# Altium PCB Test_SEAx.PcbDoc (part 1 of 2)
Units mil, origin at the board's own origin, x right, y up, seen from the top; angles counter-clockwise.
Board outline 2870.08 x 2716.54 mil, 4 copper layers (Top Layer, GND, Power, Bottom Layer), stack 57.48 mil thick; 71 components, 83 nets, 664 pads, 451 vias.
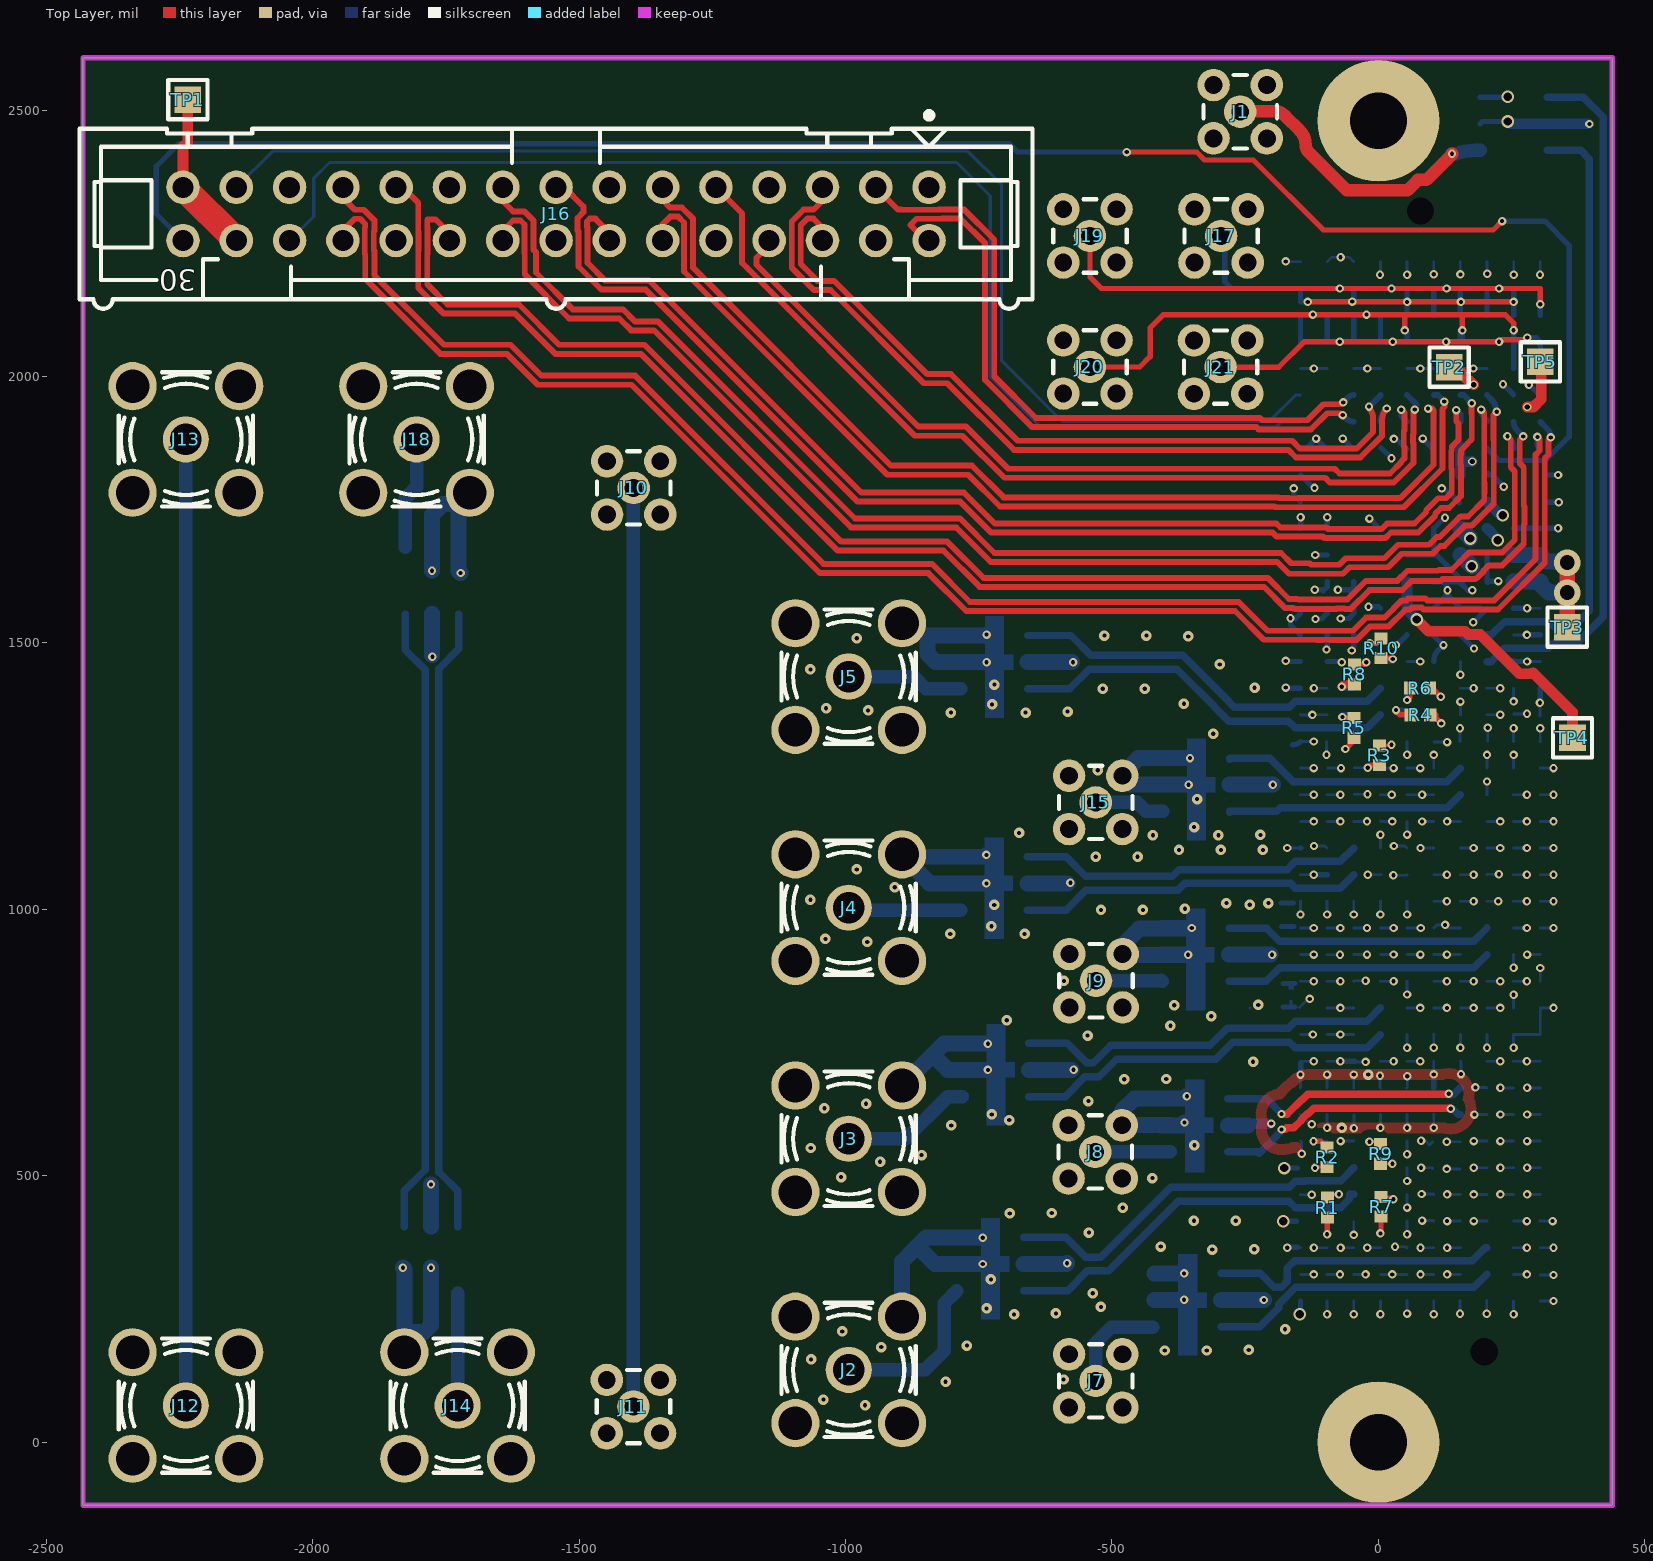
[diagram p0: Top Layer view]
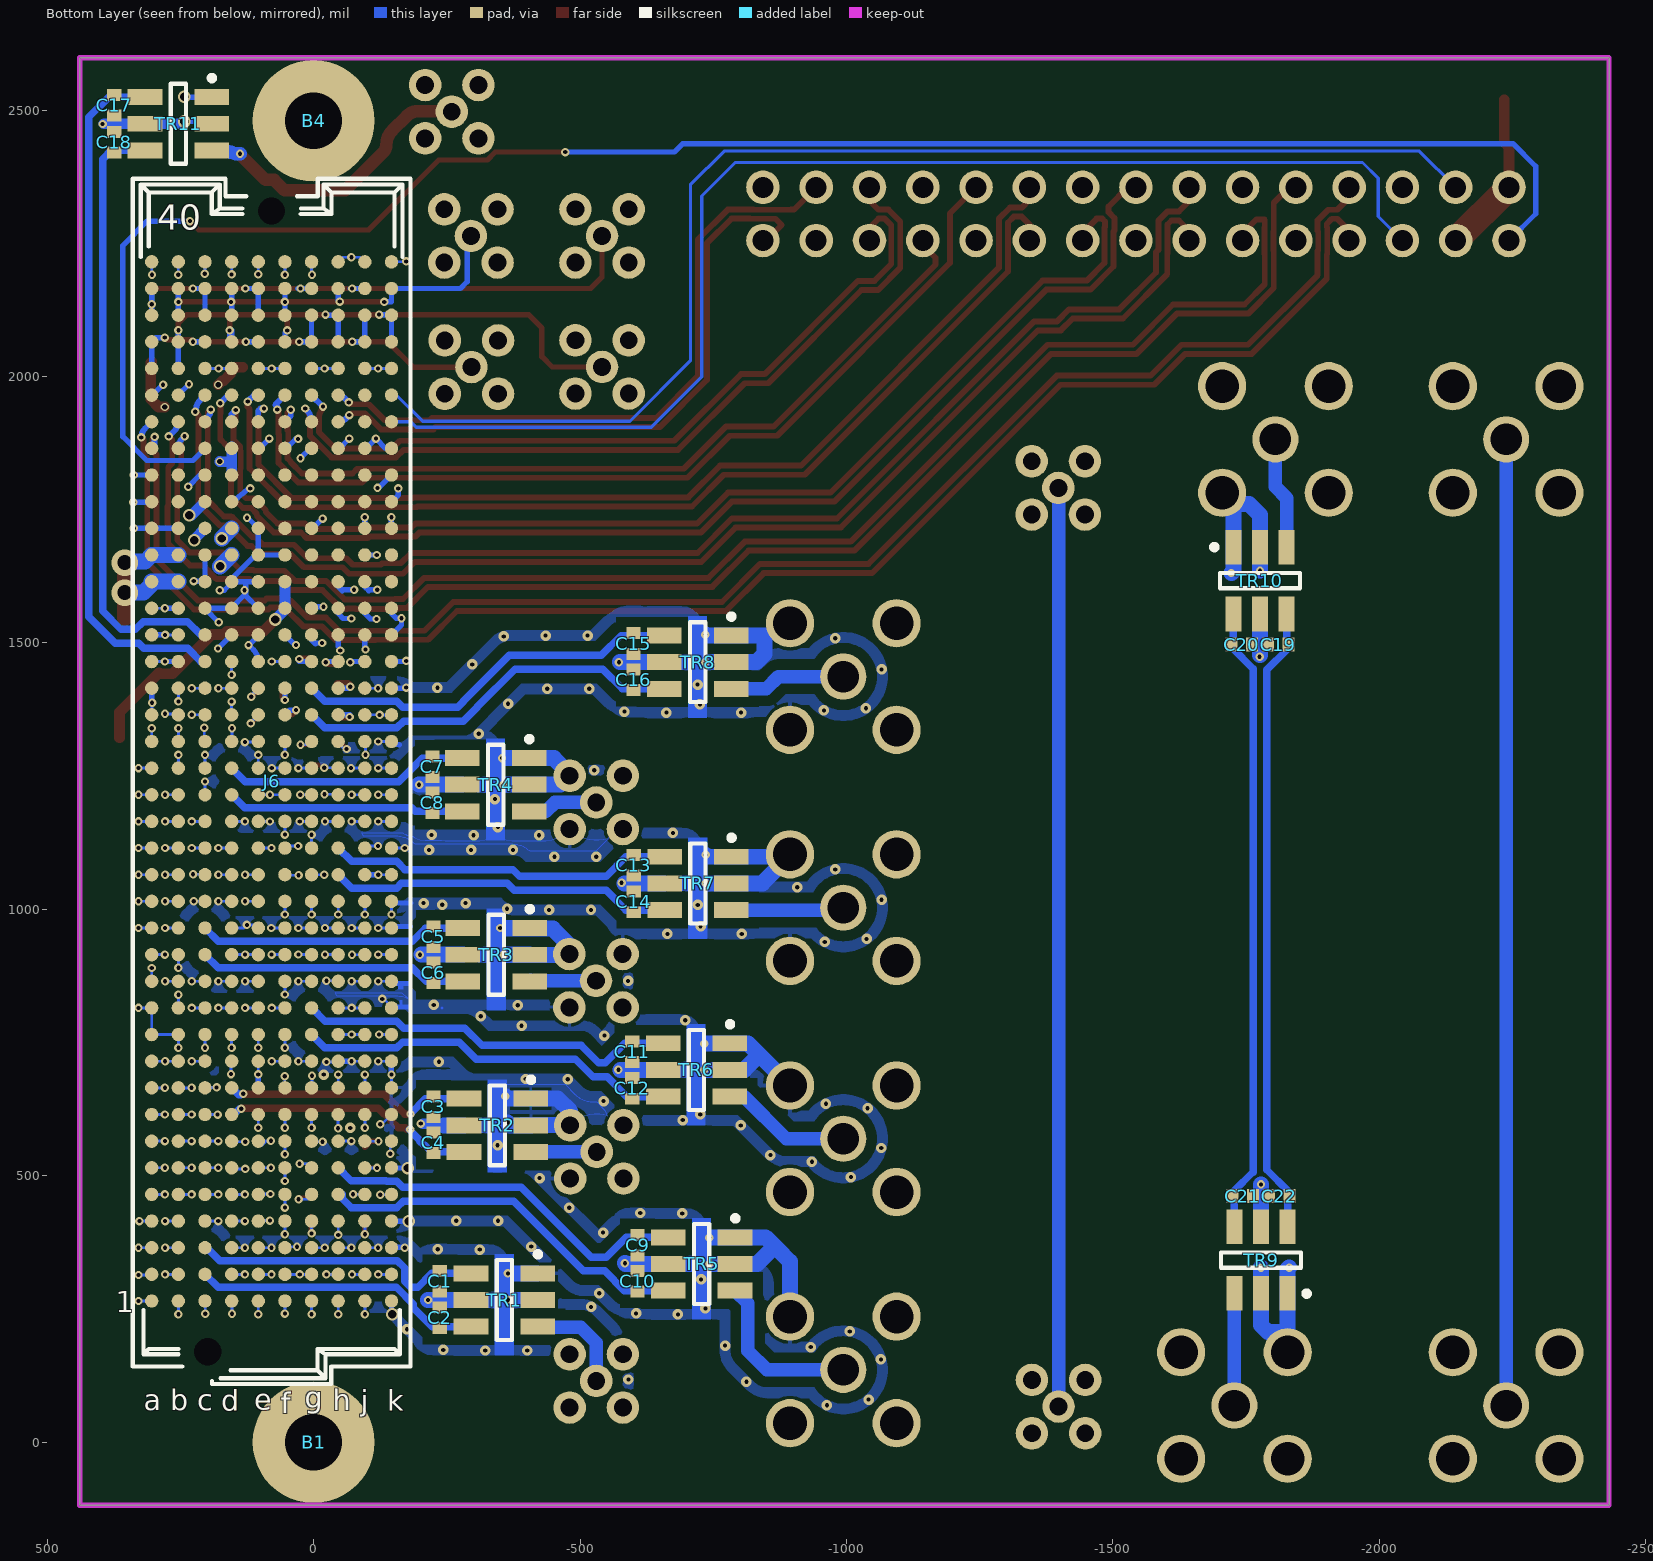
[diagram p1: Bottom Layer view, seen from below]
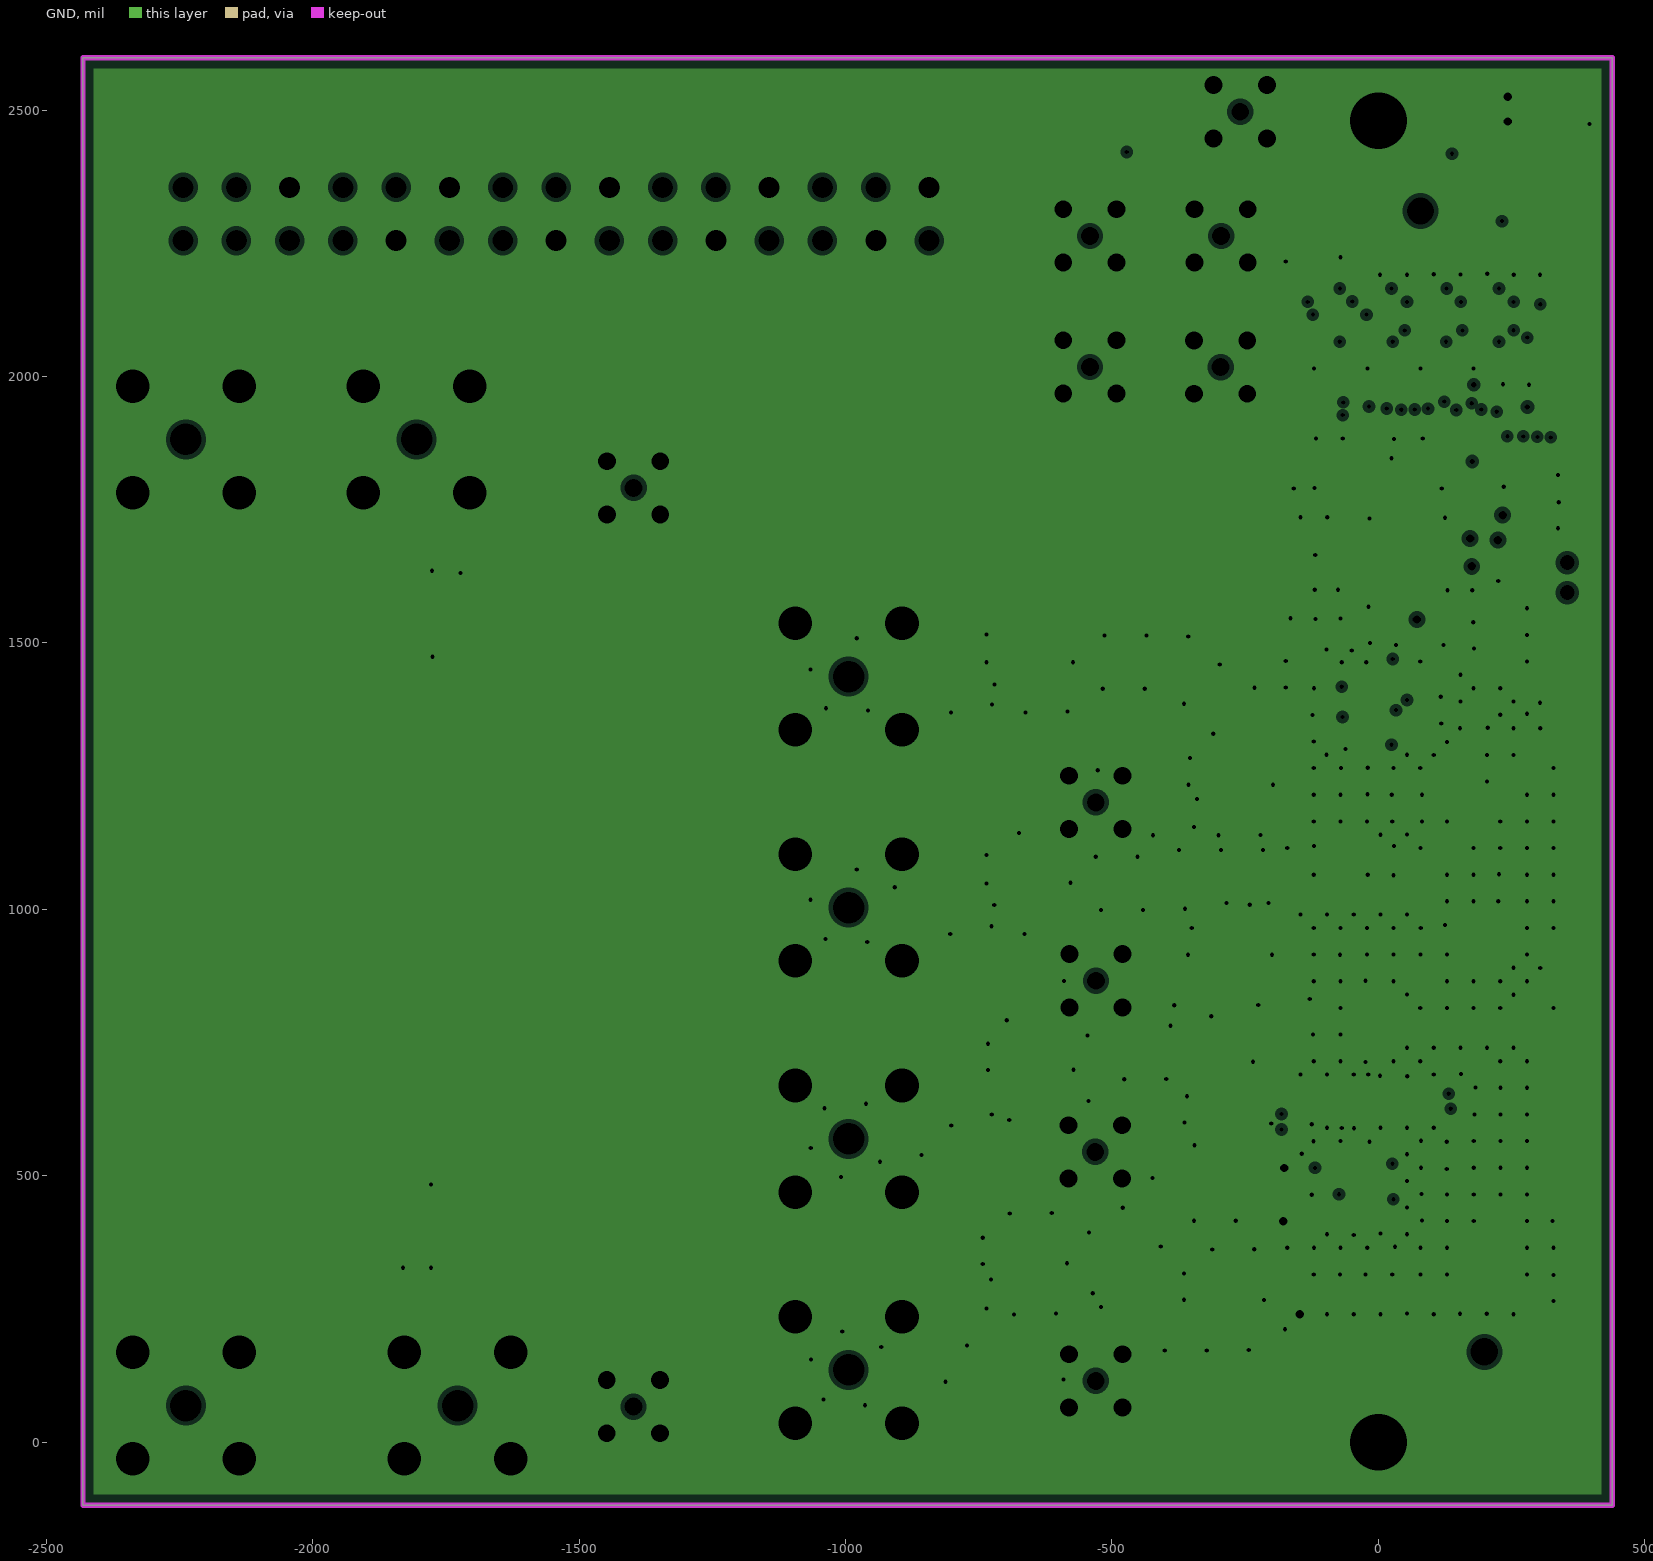
[diagram p2: GND, clearances drawn from the general rule]
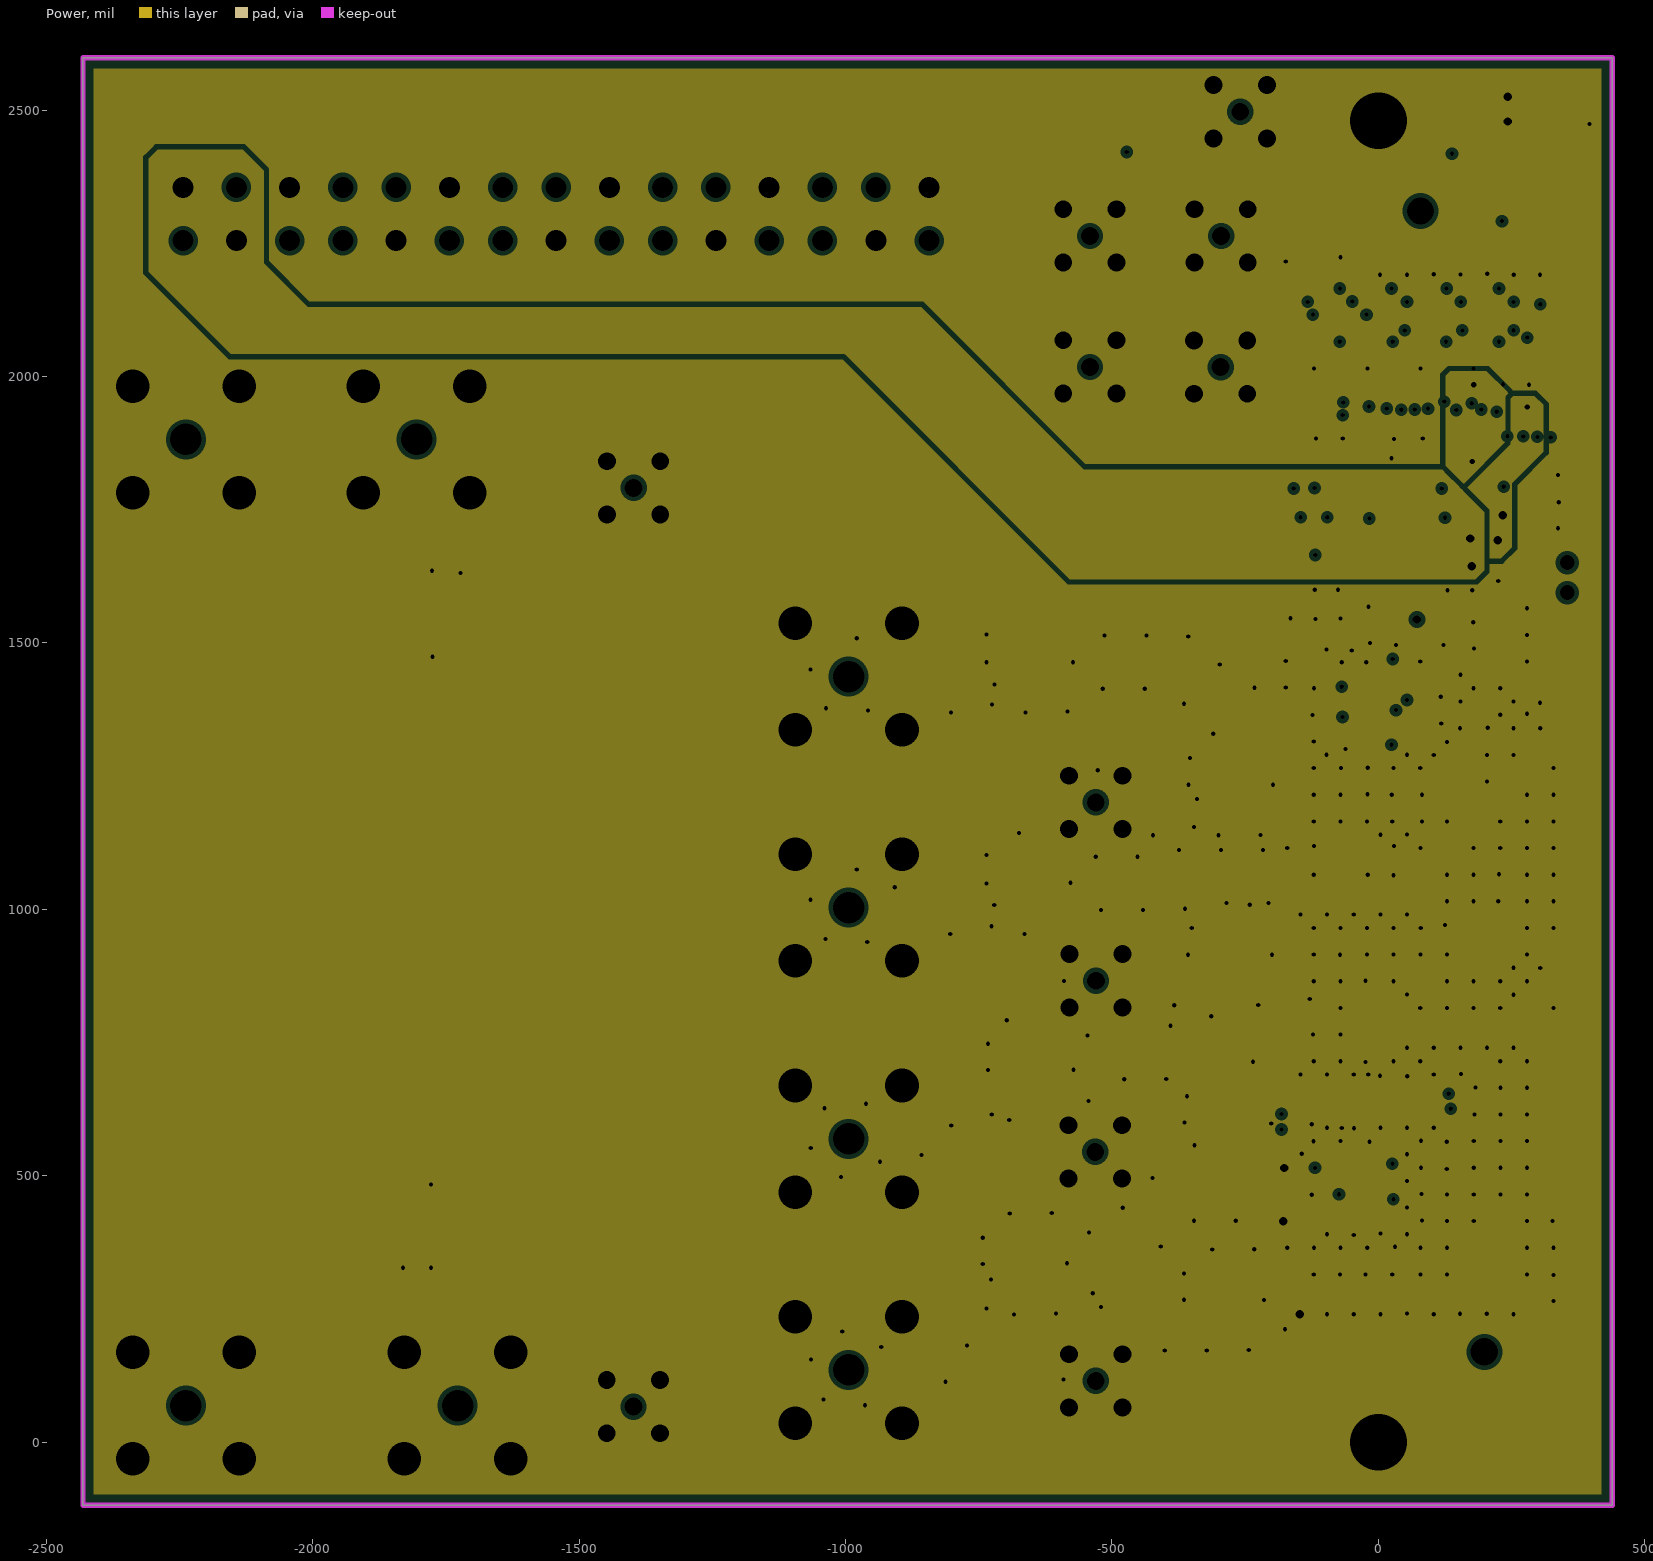
[diagram p3: Power, clearances drawn from the general rule]
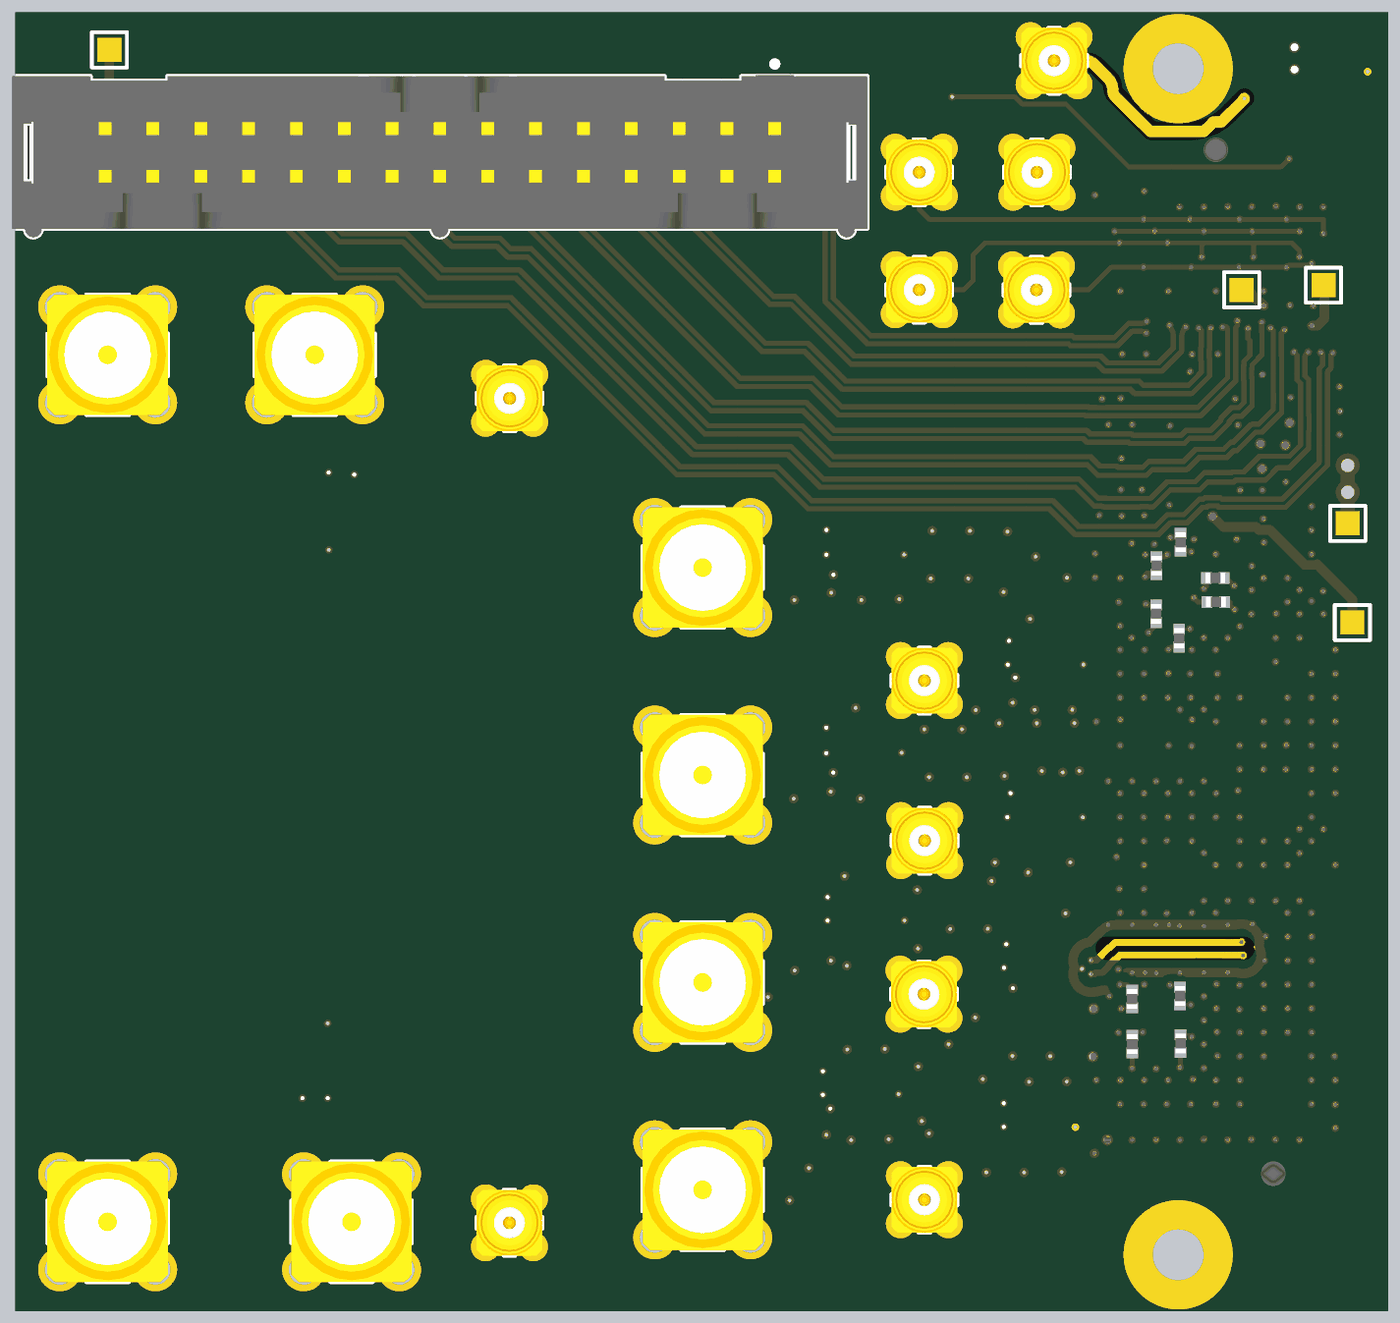
[diagram p5: 3D render of the assembled board from above, using the file's embedded part models]
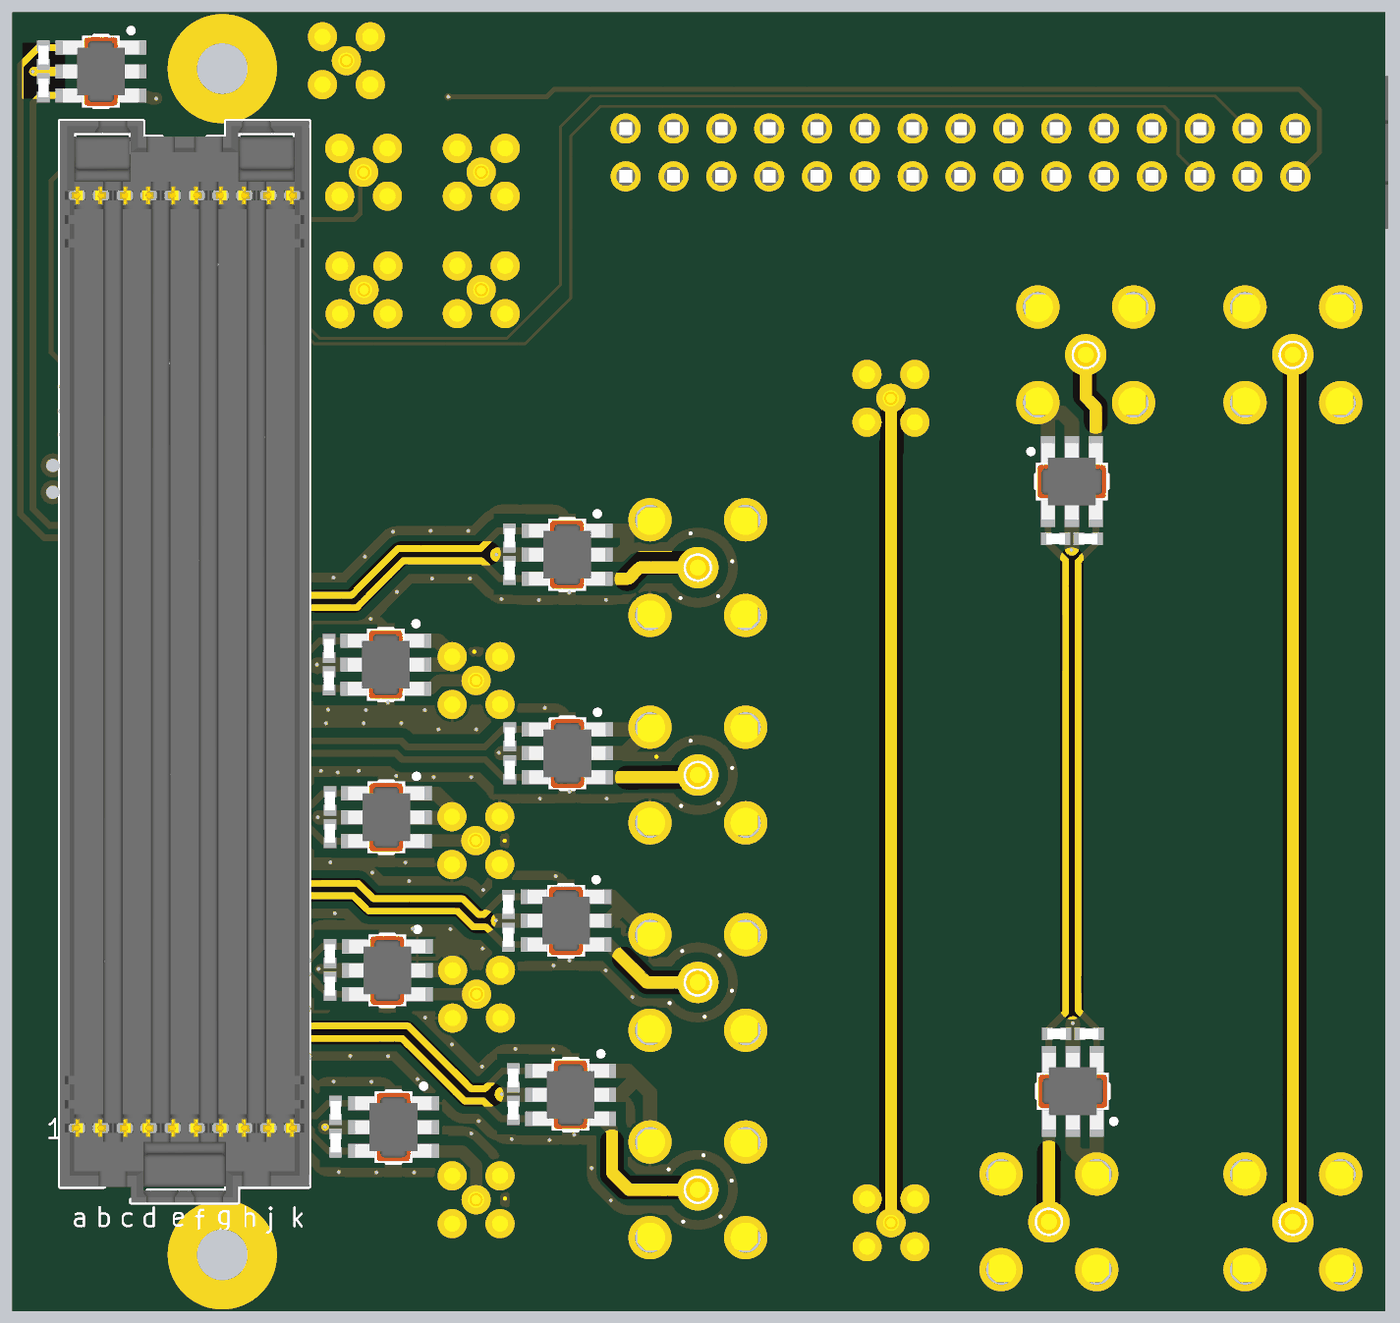
[diagram p6: 3D render of the assembled board from below, using the file's embedded part models]

## Layer stack, top to bottom
Top Solder: solder mask 3, Solder Resist, Dk 3.5
Top Layer: signal copper 1.378
Dielectric1: prepreg 14.1732, FR-4, Dk 4.8
GND: plane copper 1.378, net GND
Dielectric4: core 23.622, FR-4, Dk 4.8
Power: plane copper 1.378, net (Multiple Nets)
Dielectric7: prepreg 14.1732, FR-4, Dk 4.2
Bottom Layer: signal copper 1.378
Bottom Solder: solder mask 3, Solder Resist, Dk 3.5

## Board outline
-2431.1,-118.11 -2431.1,2598.43 438.98,2598.43 438.98,-118.11

## Design rules (kind name [scope] priority, off if disabled: settings)
Clearance Clearance_diff_pairs [(InDifferentialPairClass('All Differential Pairs')) vs (InDifferentialPairClass('All Differential Pairs'))] p1 off: gap=20 ignorepadtopadclearanceinfootprint=FALSE
Clearance [All] p2: gap=5 ignorepadtopadclearanceinfootprint=FALSE except(20: Arc-Poly Track-Poly SMDPad-Poly THPad-Poly Via-Poly Fill-Poly Poly-Poly)
ComponentClearance [All] p1 off: gap=0 collisioncheckmode=3 verticalgap=0 showdistances=FALSE
DiffPairsRouting "Schematic Differential Pairs Routing_19" [InNet('DAC0_OUT_N')] p1: maxlimit=12 minlimit=12 mostfreqgap=12 toplayer_minwidth=14 toplayer_maxwidth=14 toplayer_prefwidth=14 bottomlayer_minwidth=14 bottomlayer_maxwidth=14 bottomlayer_prefwidth=14 maxuncoupledlength=500
DiffPairsRouting "Schematic Differential Pairs Routing_45" [InNet('DAC1_OUT_N')] p2: maxlimit=12 minlimit=12 mostfreqgap=12 toplayer_minwidth=14 toplayer_maxwidth=14 toplayer_prefwidth=14 bottomlayer_minwidth=14 bottomlayer_maxwidth=14 bottomlayer_prefwidth=14 maxuncoupledlength=500
DiffPairsRouting "Schematic Differential Pairs Routing_44" [InNet('DAC2_OUT_P')] p3: maxlimit=12 minlimit=12 mostfreqgap=12 toplayer_minwidth=14 toplayer_maxwidth=14 toplayer_prefwidth=14 bottomlayer_minwidth=14 bottomlayer_maxwidth=14 bottomlayer_prefwidth=14 maxuncoupledlength=500
DiffPairsRouting "Schematic Differential Pairs Routing_43" [InNet('ADC2_IN_N')] p4: maxlimit=12 minlimit=12 mostfreqgap=12 toplayer_minwidth=14 toplayer_maxwidth=14 toplayer_prefwidth=14 bottomlayer_minwidth=14 bottomlayer_maxwidth=14 bottomlayer_prefwidth=14 maxuncoupledlength=500
DiffPairsRouting "Schematic Differential Pairs Routing_42" [InNet('DAC3_OUT_N')] p5: maxlimit=12 minlimit=12 mostfreqgap=12 toplayer_minwidth=14 toplayer_maxwidth=14 toplayer_prefwidth=14 bottomlayer_minwidth=14 bottomlayer_maxwidth=14 bottomlayer_prefwidth=14 maxuncoupledlength=500
DiffPairsRouting "Schematic Differential Pairs Routing_41" [InNet('ADC3_IN_N')] p6: maxlimit=12 minlimit=12 mostfreqgap=12 toplayer_minwidth=14 toplayer_maxwidth=14 toplayer_prefwidth=14 bottomlayer_minwidth=14 bottomlayer_maxwidth=14 bottomlayer_prefwidth=14 maxuncoupledlength=500
DiffPairsRouting "Schematic Differential Pairs Routing_40" [InNet('DAC2_OUT_N')] p7: maxlimit=12 minlimit=12 mostfreqgap=12 toplayer_minwidth=14 toplayer_maxwidth=14 toplayer_prefwidth=14 bottomlayer_minwidth=14 bottomlayer_maxwidth=14 bottomlayer_prefwidth=14 maxuncoupledlength=500
DiffPairsRouting "Schematic Differential Pairs Routing_39" [InNet('ADC0_IN_N')] p8: maxlimit=12 minlimit=12 mostfreqgap=12 toplayer_minwidth=14 toplayer_maxwidth=14 toplayer_prefwidth=14 bottomlayer_minwidth=14 bottomlayer_maxwidth=14 bottomlayer_prefwidth=14 maxuncoupledlength=500
DiffPairsRouting "Schematic Differential Pairs Routing_38" [InNet('LO_IN_N')] p9: maxlimit=12 minlimit=12 mostfreqgap=12 toplayer_minwidth=14 toplayer_maxwidth=14 toplayer_prefwidth=14 bottomlayer_minwidth=14 bottomlayer_maxwidth=14 bottomlayer_prefwidth=14 maxuncoupledlength=500
DiffPairsRouting "Schematic Differential Pairs Routing_37" [InNet('LO_IN_P')] p10: maxlimit=12 minlimit=12 mostfreqgap=12 toplayer_minwidth=14 toplayer_maxwidth=14 toplayer_prefwidth=14 bottomlayer_minwidth=14 bottomlayer_maxwidth=14 bottomlayer_prefwidth=14 maxuncoupledlength=500
DiffPairsRouting "Schematic Differential Pairs Routing_36" [InNet('DAC3_OUT_P')] p11: maxlimit=12 minlimit=12 mostfreqgap=12 toplayer_minwidth=14 toplayer_maxwidth=14 toplayer_prefwidth=14 bottomlayer_minwidth=14 bottomlayer_maxwidth=14 bottomlayer_prefwidth=14 maxuncoupledlength=500
DiffPairsRouting "Schematic Differential Pairs Routing_35" [InNet('NetTR3_5')] p12: maxlimit=12 minlimit=12 mostfreqgap=12 toplayer_minwidth=14 toplayer_maxwidth=14 toplayer_prefwidth=14 bottomlayer_minwidth=14 bottomlayer_maxwidth=14 bottomlayer_prefwidth=14 maxuncoupledlength=500
DiffPairsRouting "Schematic Differential Pairs Routing_34" [InNet('NetTR2_5')] p13: maxlimit=12 minlimit=12 mostfreqgap=12 toplayer_minwidth=14 toplayer_maxwidth=14 toplayer_prefwidth=14 bottomlayer_minwidth=14 bottomlayer_maxwidth=14 bottomlayer_prefwidth=14 maxuncoupledlength=500
DiffPairsRouting "Schematic Differential Pairs Routing_33" [InNet('NetTR5_5')] p14: maxlimit=12 minlimit=12 mostfreqgap=12 toplayer_minwidth=14 toplayer_maxwidth=14 toplayer_prefwidth=14 bottomlayer_minwidth=14 bottomlayer_maxwidth=14 bottomlayer_prefwidth=14 maxuncoupledlength=500
DiffPairsRouting "Schematic Differential Pairs Routing_32" [InNet('NetTR1_5')] p15: maxlimit=12 minlimit=12 mostfreqgap=12 toplayer_minwidth=14 toplayer_maxwidth=14 toplayer_prefwidth=14 bottomlayer_minwidth=14 bottomlayer_maxwidth=14 bottomlayer_prefwidth=14 maxuncoupledlength=500